# KiCad board imx8x_carrier_v1.kicad_pcb
title: Mariner 1-A; date: 2025-06-26; rev: A; company: Bronco Space Lab; note: Designed by Luca Lanzillotta, John Pollack, Kelly Williams
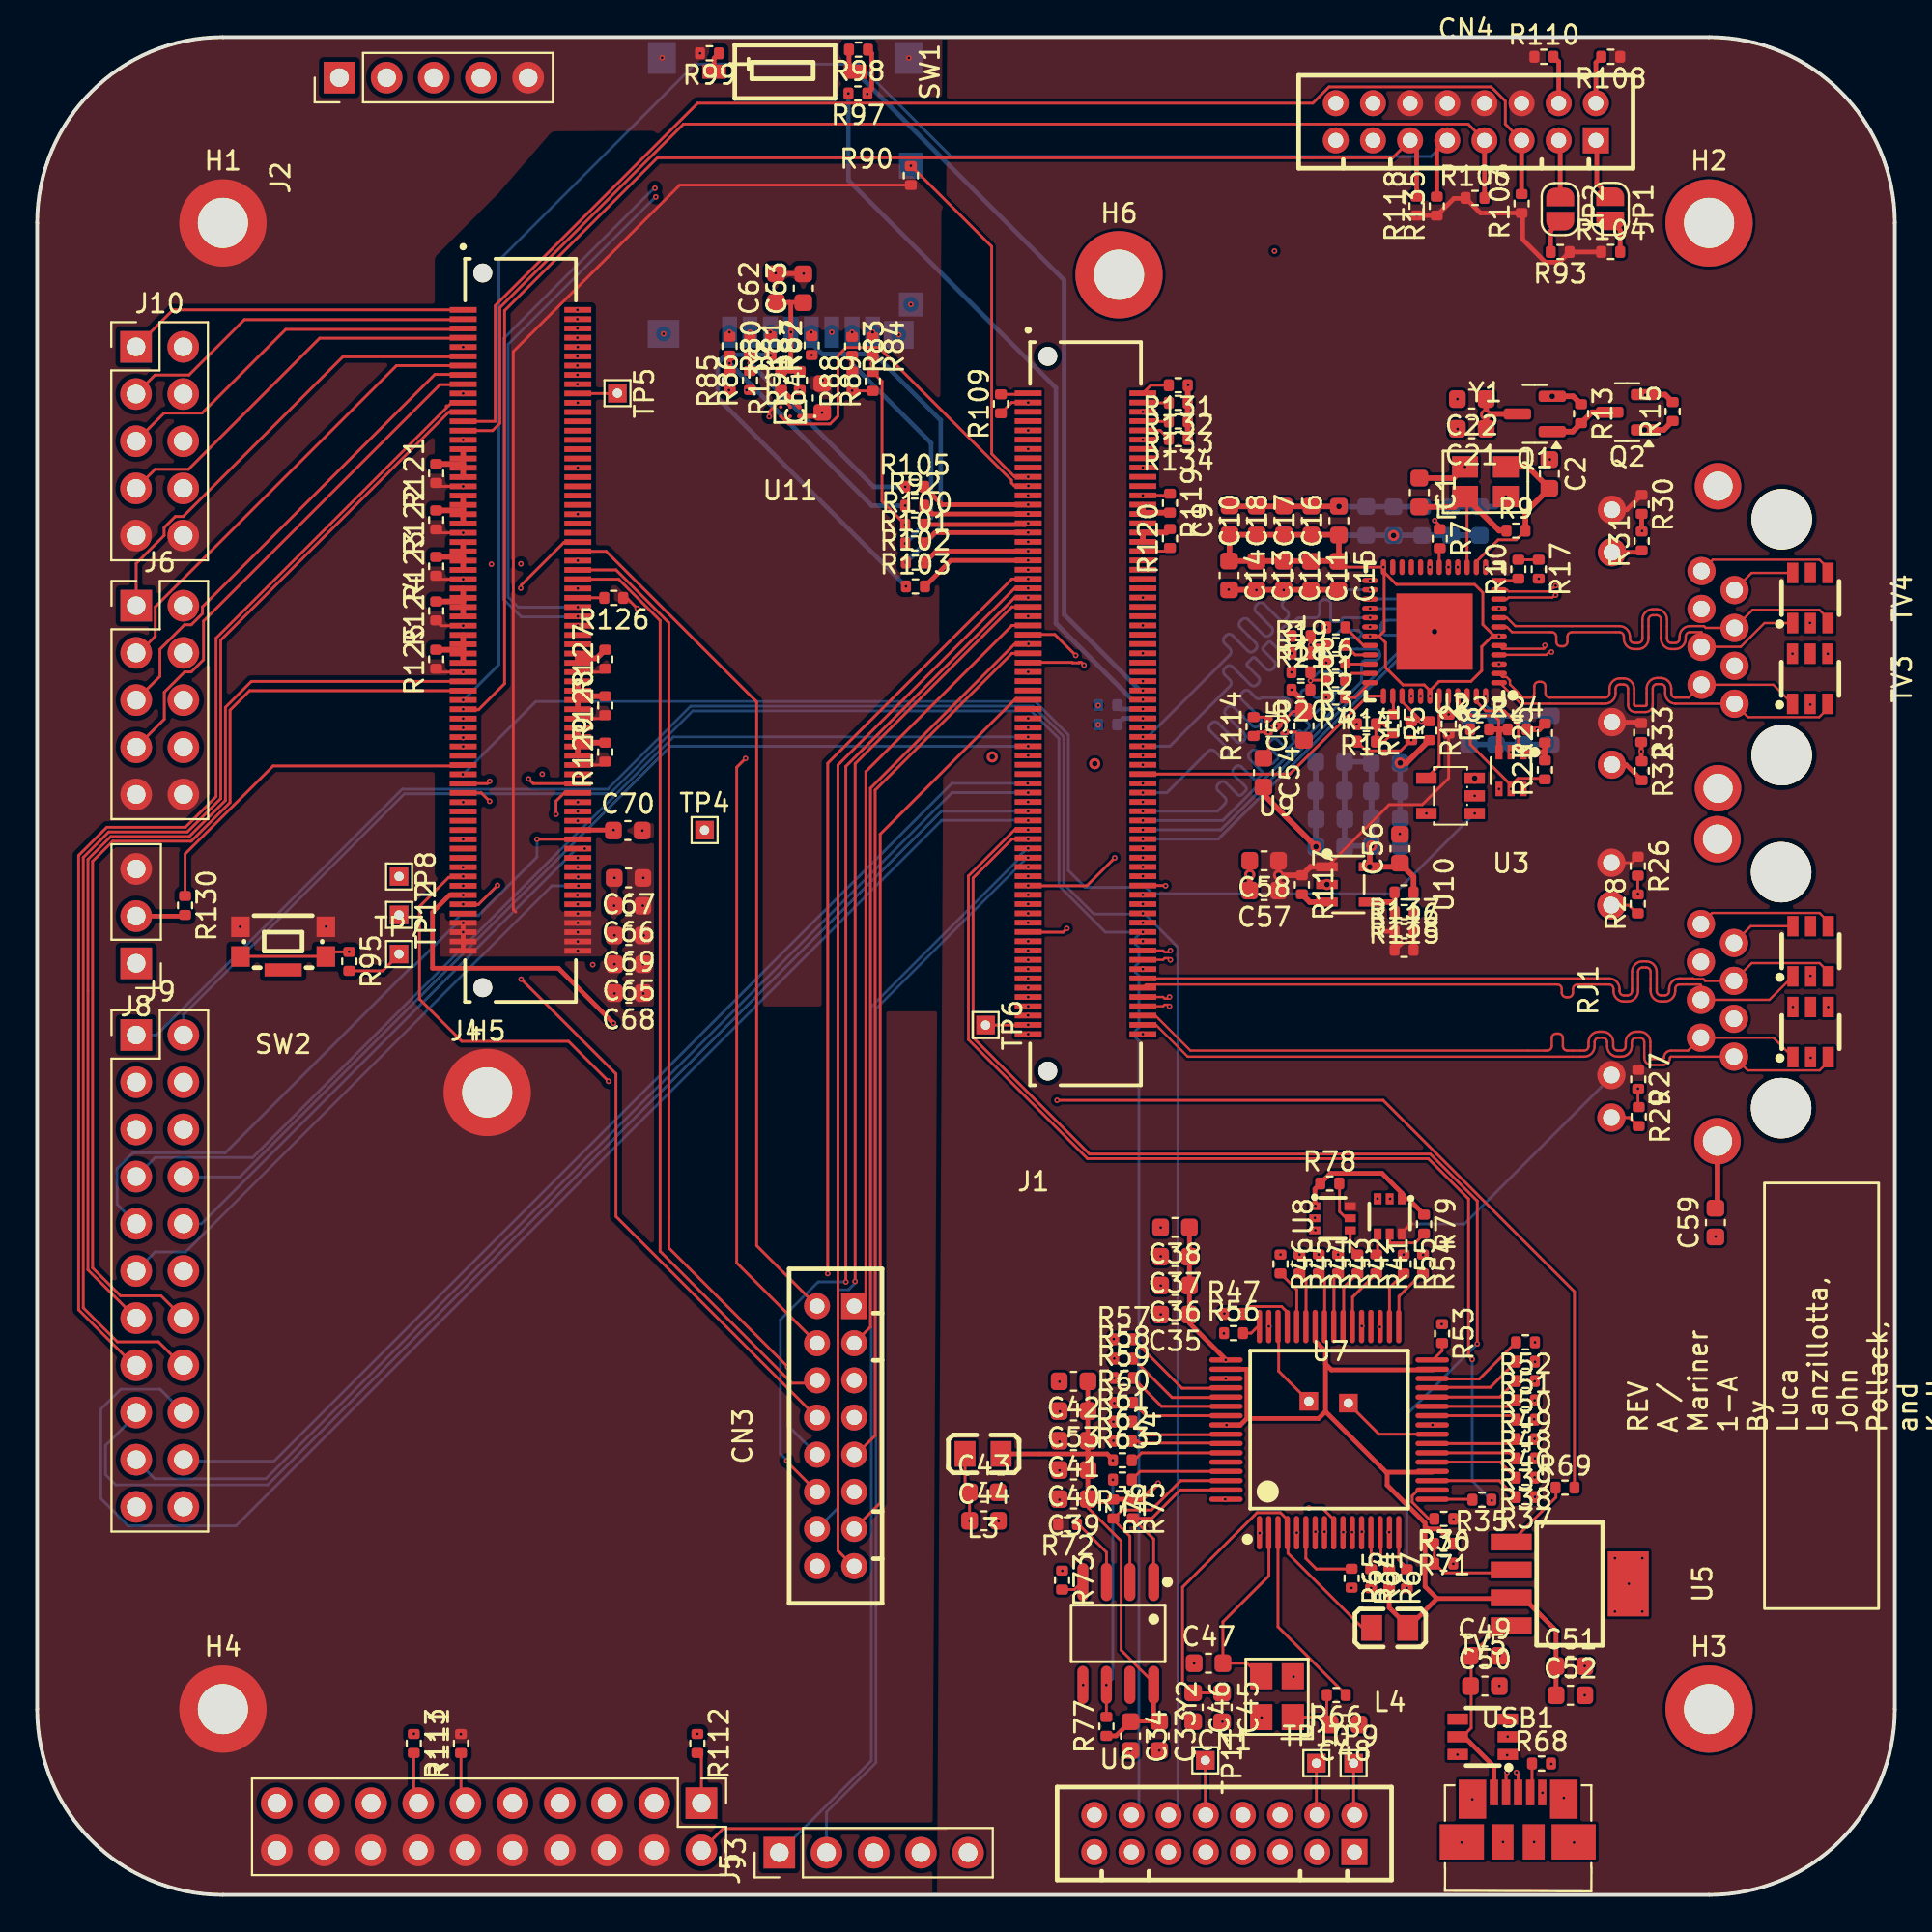
[diagram p0: board, top side]
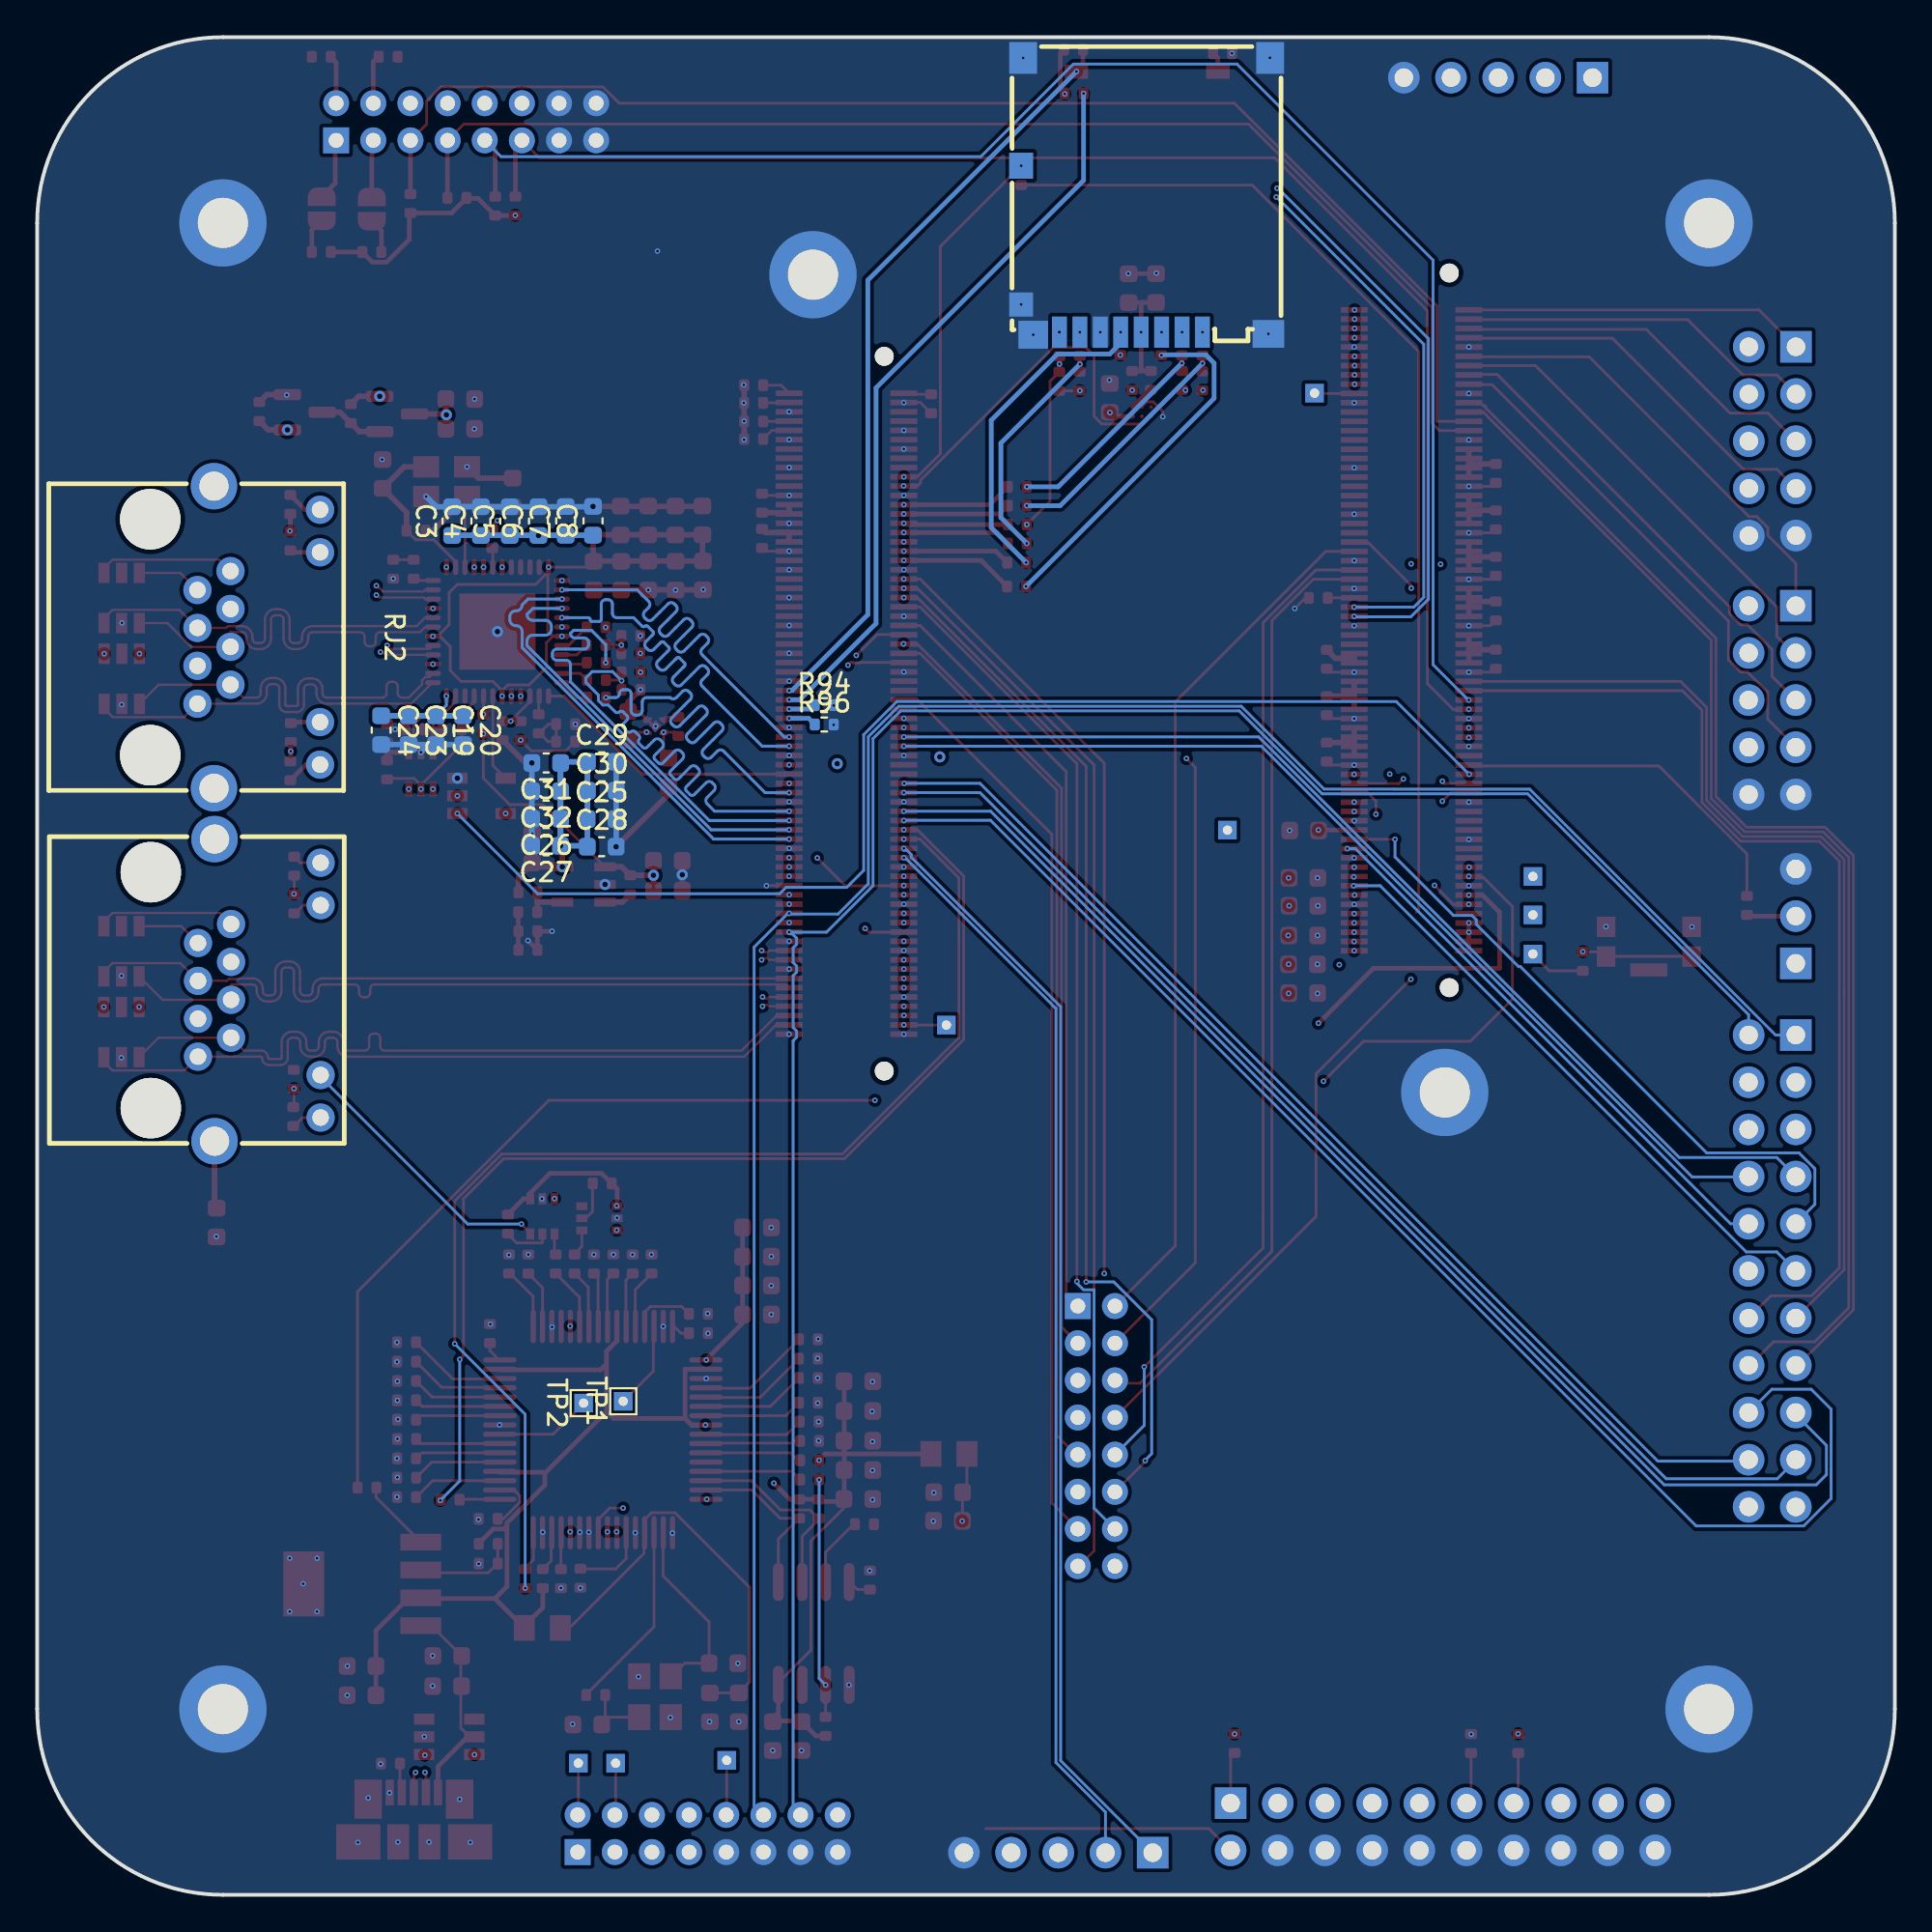
[diagram p1: board, bottom side, seen from below]

Outline 100 x 100 mm; copper layers: SIG1, GND1 (plane), PWR (plane), SIG2, GND2 (plane), SIG3. Coordinates in mm from the lower left corner of the outline.
Outline path: 0,90 0,10 arc(2.93,2.93) 10,0 90,0 arc(97.07,2.93) 100,10 100,90 arc(97.07,97.07) 90,100 10,100 arc(2.93,97.07) 0,90
Stack: SIG1 0.035mm / dielectric 0.0994mm FR4 er 4.1 / GND1 0.0152mm / dielectric 0.55mm FR4 er 4.5 / PWR 0.0152mm / dielectric 0.1088mm FR4 er 4.16 / SIG2 0.0152mm / dielectric 0.55mm FR4 er 4.5 / GND2 0.0152mm / dielectric 0.0994mm FR4 er 4.1 / SIG3 0.035mm

## Placement (name value [footprint] x y rotation side)
C1  18pF  [C_0603_1608Metric]  74.4 75.49 270 top
C2  18pF  [C_0603_1608Metric]  81.4 76.49 270 top
C3  1uF  [C_0603_1608Metric]  77.66 73.95 90 bottom
C4  100nF  [C_0603_1608Metric]  76.12 73.95 90 bottom
C5  1uF  [C_0603_1608Metric]  74.56 73.95 90 bottom
C6  100nF  [C_0603_1608Metric]  73.02 73.95 90 bottom
C7  10nF  [C_0603_1608Metric]  71.55 73.96 90 bottom
C8  10uF  [C_0603_1608Metric]  70.08 73.96 90 bottom
C9  10uF  [C_0603_1608Metric]  64.19 73.99 90 top
C10  10nF  [C_0603_1608Metric]  65.64 73.98 90 top
C11  100nF  [C_0603_1608Metric]  68.56 71 270 top
C12  1uF  [C_0603_1608Metric]  67.1 71.01 270 top
C13  100nF  [C_0603_1608Metric]  65.63 71.01 270 top
C14  1uF  [C_0603_1608Metric]  64.16 71.02 270 top
C15  1uF  [C_0603_1608Metric]  70.04 71 270 top
C16  100nF  [C_0603_1608Metric]  70.07 73.97 90 top
C17  1uF  [C_0603_1608Metric]  68.59 73.98 90 top
C18  100nF  [C_0603_1608Metric]  67.11 73.98 90 top
C19  1uF  [C_0603_1608Metric]  78.53 62.69 270 bottom
C20  100nF  [C_0603_1608Metric]  77.07 62.69 270 bottom
C21  10nF  [C_0603_1608Metric]  77.22 78.92 180 top
C22  10uF  [C_0603_1608Metric]  77.22 80.52 180 top
C23  100nF  [C_0603_1608Metric]  80 62.69 270 bottom
C24  1uF  [C_0603_1608Metric]  81.48 62.69 270 bottom
C25  1uF  [C_0603_1608Metric]  69.62 57.91 180 bottom
C26  100nF  [C_0603_1608Metric]  72.6 57.93 0 bottom
C27  1uF  [C_0603_1608Metric]  72.61 56.47 0 bottom
C28  100nF  [C_0603_1608Metric]  69.61 56.42 180 bottom
C29  10nF  [C_0603_1608Metric]  69.6 60.99 180 bottom
C30  10uF  [C_0603_1608Metric]  69.6 59.44 180 bottom
C31  100nF  [C_0603_1608Metric]  72.6 60.93 0 bottom
C32  1uF  [C_0603_1608Metric]  72.6 59.41 0 bottom
C33  4.7uF  [C_0603_1608Metric]  60.4 8.55 270 top
C34  100nF  [C_0603_1608Metric]  58.86 8.55 270 top
C35  100nF  [C_0603_1608Metric]  61.25 31.24 180 top
C36  100nF  [C_0603_1608Metric]  61.25 32.8 180 top
C37  100nF  [C_0603_1608Metric]  61.25 34.35 180 top
C38  4.7uF  [C_0603_1608Metric]  61.25 35.93 180 top
C39  100nF  [C_0603_1608Metric]  55.79 21.31 180 top
C40  100nF  [C_0603_1608Metric]  55.79 22.87 180 top
C41  100nF  [C_0603_1608Metric]  55.79 24.45 180 top
C42  100nF  [C_0603_1608Metric]  55.79 27.65 180 top
C43  100nF  [C_0603_1608Metric]  50.96 21.67 0 top
C44  4.7uF  [C_0603_1608Metric]  50.97 20.14 0 top
C45  4.7uF  [C_0603_1608Metric]  63.79 10.09 270 top
C46  100nF  [C_0603_1608Metric]  62.23 10.1 270 top
C47  12pF  [C_0603_1608Metric]  63.06 12.47 0 top
C48  12pF  [C_0603_1608Metric]  70.38 9.17 180 top
C49  100nF  [C_0603_1608Metric]  77.92 12.86 0 top
C50  2.2uF  [C_0603_1608Metric]  77.93 11.24 0 top
C51  1uF  [C_0603_1608Metric]  82.54 12.31 0 top
C52  100nF  [C_0603_1608Metric]  82.54 10.74 0 top
C53  100nF  [C_0603_1608Metric]  55.79 26.05 180 top
C54  100nF  [C_0603_1608Metric]  66.01 60.41 270 top
C55  100nF  [C_0603_1608Metric]  68.19 62.92 90 top
C56  4.7uF  [C_0603_1608Metric]  73.36 56.31 90 top
C57  100nF  [C_0603_1608Metric]  66.05 54.06 180 top
C58  4.7uF  [C_0603_1608Metric]  66.05 55.66 180 top
C59  10nF  [C_0603_1608Metric]  90.34 36.19 90 top
C62  10uF  [C_0603_1608Metric]  39.77 86.49 90 top
C63  100nF  [C_0603_1608Metric]  41.24 86.48 90 top
C64  100nF  [C_0603_1608Metric]  42.26 80.58 90 top
C65  22uF  [C_0603_1608Metric]  31.86 50.09 180 top
C66  22uF  [C_0603_1608Metric]  31.83 53.24 180 top
C67  4.7uF  [C_0603_1608Metric]  31.83 54.74 180 top
C68  4.7uF  [C_0603_1608Metric]  31.85 48.54 180 top
C69  100nF  [C_0603_1608Metric]  31.85 51.64 180 top
C70  220nF  [C_0603_1608Metric]  31.8 57.29 0 top
Card1  5027740891  [TF-SMD_5027740891]  40.33 91.43 180 bottom
CN1  DF11-16DP-2DSA(08)  [CONN-TH_DF11-16DP-2DSA-08]  63.91 3.3 0 top
CN3  DF11-16DP-2DSA(08)  [CONN-TH_DF11-16DP-2DSA-08]  42.98 24.69 90 top
CN4  DF11-16DP-2DSA(08)  [CONN-TH_DF11-16DP-2DSA-08]  76.91 95.44 0 top
G***  -  [LOGO]  24.43 25.79 0 top
H1  MountingHole_Pad_M2.5_2.7mm  [MountingHole_2.7mm_M2.5_DIN965_Pad]  10 90 0 top
H2  MountingHole_Pad_M2.5_2.7mm  [MountingHole_2.7mm_M2.5_DIN965_Pad]  90 90 0 top
H3  MountingHole_Pad_M2.5_2.7mm  [MountingHole_2.7mm_M2.5_DIN965_Pad]  90 10 0 top
H4  MountingHole_Pad_M2.5_2.7mm  [MountingHole_2.7mm_M2.5_DIN965_Pad]  10 10 0 top
H5  MountingHole_Pad_M2.5_2.7mm  [MountingHole_2.7mm_M2.5_DIN965_Pad]  24.23 43.19 0 top
H6  MountingHole_Pad_M2.5_2.7mm  [MountingHole_2.7mm_M2.5_DIN965_Pad]  58.24 87.21 0 top
J1  BTH-070-02-L-D-A  [SAMTEC_BTH-070-02-L-D-A]  53.35 46.83 90 top
J2  Conn_01x05_Pin  [PinHeader_1x05_P2.54mm_Vertical]  16.27 97.82 90 top
J3  Conn_01x05_Pin  [PinHeader_1x05_P2.54mm_Vertical]  39.95 2.27 90 top
J4  BTH-070-02-L-D-A  [SAMTEC_BTH-070-02-L-D-A]  22.93 51.32 90 top
J5  Conn_01x20_Pin  [PinHeader_2x10_P2.54mm_Vertical]  35.76 4.93 270 top
J6  Conn_02x05_Odd_Even  [PinHeader_2x05_P2.54mm_Vertical]  5.33 69.39 0 top
J8  Conn_01x03_Pin  [PinHeader_1x03_P2.54mm_Vertical]  5.33 50.14 180 top
J9  Conn_02x11_Counter_Clockwise  [PinHeader_2x11_P2.54mm_Vertical]  5.33 46.28 0 top
J10  Conn_02x05_Odd_Even  [PinHeader_2x05_P2.54mm_Vertical]  5.32 83.33 0 top
JP1  SolderJumper_2_Open  [SolderJumper-2_P1.3mm_Open_RoundedPad1.0x1.5mm]  84.68 90.76 270 top
JP2  SolderJumper_2_Open  [SolderJumper-2_P1.3mm_Open_RoundedPad1.0x1.5mm]  81.99 90.75 270 top
L3  600R/100MHz  [L0805]  50.92 23.74 180 top
L4  600R/100MHz  [L0805]  72.81 14.37 180 top
Q1  IRLML6401  [SOT-23]  80.62 79.72 180 top
Q2  BSS138  [SOT-23]  85.59 79.81 180 top
R1  22  [R_0402_1005Metric]  69.91 67.28 180 top
R2  22  [R_0402_1005Metric]  69.9 66.33 180 top
R3  22  [R_0402_1005Metric]  69.89 65.39 180 top
R4  22  [R_0402_1005Metric]  69.89 64.45 180 top
R5  22  [R_0402_1005Metric]  73 63.04 270 top
R6  0  [R_0402_1005Metric]  69.91 68.23 180 top
R7  49.9  [R_0402_1005Metric]  75.5 73 270 top
R8  2K  [R_0402_1005Metric]  75.98 63.02 270 top
R9  1M  [R_0402_1005Metric]  79.6 73.44 0 top
R10  1K  [R_0402_1005Metric]  79.73 71.36 90 top
R11  5.76K  [R_0402_1005Metric]  73.97 62.67 90 top
R12  2.49K  [R_0402_1005Metric]  74.94 62.67 270 top
R13  10K  [R_0402_1005Metric]  83.11 79.73 270 top
R14  5.76K  [R_0402_1005Metric]  71.55 62.08 0 top
R15  10K  [R_0402_1005Metric]  88.04 79.85 90 top
R16  2.49K  [R_0402_1005Metric]  71.55 63.02 180 top
R17  10K  [R_0402_1005Metric]  80.83 71.36 270 top
R18  10K  [R_0402_1005Metric]  68.03 65.81 0 top
R19  2.49K  [R_0402_1005Metric]  68.04 66.83 0 top
R20  2.49K  [R_0402_1005Metric]  68.03 64.87 180 top
R21  2.49K  [R_0402_1005Metric]  68.04 67.77 180 top
R22  10K  [R_0402_1005Metric]  77.65 62.74 0 top
R23  5.76K  [R_0402_1005Metric]  81.16 60.56 90 top
R24  2.49K  [R_0402_1005Metric]  79.67 62.74 0 top
R25  2.49K  [R_0402_1005Metric]  81.17 62.54 90 top
R26  10K  [R_0402_1005Metric]  86.16 55.38 270 top
R27  2.49K  [R_0402_1005Metric]  86.19 43.9 270 top
R28  200  [R_0402_1005Metric]  86.16 53.34 90 top
R29  22  [R_0402_1005Metric]  86.21 41.89 270 top
R30  10K  [R_0402_1005Metric]  86.37 74.85 270 top
R31  200  [R_0402_1005Metric]  86.37 72.88 90 top
R32  22  [R_0402_1005Metric]  86.37 60.51 270 top
R33  2.49K  [R_0402_1005Metric]  86.35 62.57 270 top
R34  22  [R_0402_1005Metric]  73.73 17.02 90 top
R35  22  [R_0402_1005Metric]  77.77 21.27 180 top
R36  10K  [R_0402_1005Metric]  75.72 20.24 180 top
R37  10K  [R_0402_1005Metric]  80.11 21.41 180 top
R38  10K  [R_0402_1005Metric]  80.11 22.45 180 top
R39  10K  [R_0402_1005Metric]  80.11 23.5 180 top
R40  10K  [R_0402_1005Metric]  80.11 24.54 180 top
R41  22  [R_0402_1005Metric]  72.09 33.96 270 top
R42  22  [R_0402_1005Metric]  71.07 33.96 270 top
R43  10K  [R_0402_1005Metric]  70.03 33.96 270 top
R44  10K  [R_0402_1005Metric]  68.99 33.96 270 top
R45  10K  [R_0402_1005Metric]  67.95 33.96 270 top
R46  10K  [R_0402_1005Metric]  66.93 33.96 270 top
R47  10K  [R_0402_1005Metric]  64.4 31.28 0 top
R48  10K  [R_0402_1005Metric]  80.11 25.58 180 top
R49  10K  [R_0402_1005Metric]  80.12 26.62 180 top
R50  10K  [R_0402_1005Metric]  80.11 27.66 180 top
R51  10K  [R_0402_1005Metric]  80.12 28.7 180 top
R52  10K  [R_0402_1005Metric]  80.12 29.74 180 top
R53  10K  [R_0402_1005Metric]  75.63 30.21 270 top
R54  10K  [R_0402_1005Metric]  74.6 33.96 270 top
R55  10K  [R_0402_1005Metric]  73.56 33.96 270 top
R56  10K  [R_0402_1005Metric]  64.4 30.24 0 top
R57  10K  [R_0402_1005Metric]  58.48 29.91 0 top
R58  10K  [R_0402_1005Metric]  58.49 28.87 0 top
R59  10K  [R_0402_1005Metric]  58.49 27.82 0 top
R60  10K  [R_0402_1005Metric]  58.48 26.49 0 top
R61  10K  [R_0402_1005Metric]  58.45 25.48 0 top
R62  10K  [R_0402_1005Metric]  58.42 24.44 0 top
R63  1K  [R_0402_1005Metric]  58.42 23.39 0 top
R64  10K  [R_0402_1005Metric]  71.81 17.02 270 top
R65  12K  [R_0402_1005Metric]  70.76 17.04 270 top
R66  200  [R_0402_1005Metric]  69.93 10.76 180 top
R67  1K  [R_0402_1005Metric]  72.78 17.02 270 top
R68  0  [R_0402_1005Metric]  80.98 7.07 0 top
R69  10K  [R_0402_1005Metric]  82.25 21.92 0 top
R70  10K  [R_0402_1005Metric]  75.72 17.83 0 top
R71  16.5K  [R_0402_1005Metric]  75.72 18.9 180 top
R72  10K  [R_0402_1005Metric]  55.47 19.95 180 top
R73  0  [R_0402_1005Metric]  55.17 16.94 270 top
R74  2K  [R_0402_1005Metric]  58.42 22.35 180 top
R75  10K  [R_0402_1005Metric]  58.98 20.78 270 top
R76  10K  [R_0402_1005Metric]  57.93 20.77 270 top
R77  10K  [R_0402_1005Metric]  57.56 9.07 90 top
R78  10K  [R_0402_1005Metric]  69.58 38.29 0 top
R79  10K  [R_0402_1005Metric]  74.66 36.1 270 top
R80  22  [R_0402_1005Metric]  37.27 83.37 270 top
R81  22  [R_0402_1005Metric]  38.38 83.38 270 top
R82  22  [R_0402_1005Metric]  39.48 83.39 270 top
R83  22  [R_0402_1005Metric]  43.87 83.36 270 top
R84  22  [R_0402_1005Metric]  44.97 83.34 270 top
R85  49.9K  [R_0402_1005Metric]  37.28 81.5 90 top
R86  49.9K  [R_0402_1005Metric]  38.37 81.52 90 top
R87  49.9K  [R_0402_1005Metric]  41.69 83.4 90 top
R88  49.9K  [R_0402_1005Metric]  43.89 81.48 90 top
R89  49.9K  [R_0402_1005Metric]  44.98 81.47 90 top
R90  49.9K  [R_0402_1005Metric]  47.03 92.55 90 top
R91  0  [R_0402_1005Metric]  41.05 81.52 90 top
R92  22  [R_0402_1005Metric]  47.24 74.78 0 top
R93  4.7k  [R_0402_1005Metric]  81.99 88.43 180 top
R94  1k  [R_0402_1005Metric]  57.63 64.04 180 bottom
R95  2K  [R_0402_1005Metric]  16.8 50.25 270 top
R96  1k  [R_0402_1005Metric]  57.63 63 180 bottom
R97  1k  [R_0402_1005Metric]  44.18 96.97 180 top
R98  1k  [R_0402_1005Metric]  44.21 99.33 180 top
R99  1k  [R_0402_1005Metric]  36.19 99.13 180 top
R100  22  [R_0402_1005Metric]  47.24 73.76 0 top
R101  22  [R_0402_1005Metric]  47.24 72.75 0 top
R102  22  [R_0402_1005Metric]  47.27 71.71 0 top
R103  22  [R_0402_1005Metric]  47.28 70.43 0 top
R104  4.7k  [R_0402_1005Metric]  84.7 88.44 0 top
R105  22  [R_0402_1005Metric]  47.24 75.8 0 top
R106  4.7k  [R_0402_1005Metric]  77.4 91.34 0 top
R107  4.7k  [R_0402_1005Metric]  79.91 91.04 90 top
R108  4.7k  [R_0402_1005Metric]  84.71 98.94 180 top
R109  10k  [R_0402_1005Metric]  51.88 80.26 90 top
R110  4.7k  [R_0402_1005Metric]  81.11 98.94 0 top
R111  10k  [R_0402_1005Metric]  22.81 8.15 90 top
R112  100  [R_0402_1005Metric]  35.54 8.15 270 top
R113  22  [R_0402_1005Metric]  20.27 8.15 270 top
R114  10k  [R_0402_1005Metric]  65.48 62.89 90 top
R115  2k  [R_0402_1005Metric]  73.59 52.9 180 top
R116  13k  [R_0402_1005Metric]  73.58 53.96 180 top
R117  10k  [R_0402_1005Metric]  68.08 54.37 270 top
R118  4.7k  [R_0402_1005Metric]  74.26 90.91 90 top
R119  10k  [R_0402_1005Metric]  60.98 74.91 270 top
R120  10k  [R_0402_1005Metric]  60.98 73.01 90 top
R121  10k  [R_0402_1005Metric]  21.48 76.51 90 top
R122  10k  [R_0402_1005Metric]  21.48 74.01 90 top
R123  10k  [R_0402_1005Metric]  21.48 71.51 90 top
R124  10k  [R_0402_1005Metric]  21.48 69.11 90 top
R125  10k  [R_0402_1005Metric]  21.48 66.51 90 top
R126  10k  [R_0402_1005Metric]  31.04 69.81 180 top
R127  10k  [R_0402_1005Metric]  30.58 66.51 90 top
R128  10k  [R_0402_1005Metric]  30.58 64.01 90 top
R129  10k  [R_0402_1005Metric]  30.58 61.51 90 top
R130  10k  [R_0402_1005Metric]  7.96 53.26 270 top
R131  10k  [R_0402_1005Metric]  61.43 81.26 180 top
R132  10k  [R_0402_1005Metric]  61.43 80.31 180 top
R133  10k  [R_0402_1005Metric]  61.43 79.31 180 top
R134  10k  [R_0402_1005Metric]  61.43 78.36 180 top
R135  4.7k  [R_0402_1005Metric]  75.34 90.91 90 top
R136  0  [R_0402_1005Metric]  40.05 81.52 90 top
R137  1k  [R_0402_1005Metric]  73.58 51.87 0 top
R138  1k  [R_0402_1005Metric]  73.58 50.87 0 top
RJ1  RJHSE5384  [RJ45-TH_RJHSE5384]  88.04 48.7 270 bottom
RJ2  RJHSE5384  [RJ45-TH_RJHSE5384]  88.07 67.7 270 bottom
SW1  SW_DIP_x01  [SW-SMD_1.27-1P-TPPT]  40.25 98.14 270 top
SW2  KMR221GLFS  [KEY-SMD_KMR2XXGXXX]  13.24 50.95 180 top
TP1  TestPoint  [TestPoint_THTPad_1.0x1.0mm_Drill0.5mm]  68.45 26.57 90 bottom
TP2  TestPoint  [TestPoint_THTPad_1.0x1.0mm_Drill0.5mm]  70.58 26.47 90 bottom
TP4  TestPoint  [TestPoint_THTPad_1.0x1.0mm_Drill0.5mm]  35.93 57.31 0 top
TP5  TestPoint  [TestPoint_THTPad_1.0x1.0mm_Drill0.5mm]  31.24 80.84 270 top
TP6  TestPoint  [TestPoint_THTPad_1.0x1.0mm_Drill0.5mm]  51.06 46.82 270 top
TP7  TestPoint  [TestPoint_THTPad_1.0x1.0mm_Drill0.5mm]  19.48 50.64 0 top
TP8  TestPoint  [TestPoint_THTPad_1.0x1.0mm_Drill0.5mm]  19.48 54.82 270 top
TP9  TestPoint  [TestPoint_THTPad_1.0x1.0mm_Drill0.5mm]  70.87 7.09 0 top
TP10  TestPoint  [TestPoint_THTPad_1.0x1.0mm_Drill0.5mm]  68.86 7.09 0 top
TP11  TestPoint  [TestPoint_THTPad_1.0x1.0mm_Drill0.5mm]  62.88 7.24 270 top
TP12  TestPoint  [TestPoint_THTPad_1.0x1.0mm_Drill0.5mm]  19.48 52.75 270 top
TV1  SRV05-4.TCT  [SOT-23-6_L2.9-W1.6-P0.95-LS2.8-BR]  95.46 46.44 270 top
TV2  SRV05-4.TCT  [SOT-23-6_L2.9-W1.6-P0.95-LS2.8-BR]  95.46 50.79 270 top
TV3  SRV05-4.TCT  [SOT-23-6_L2.9-W1.6-P0.95-LS2.8-BR]  95.44 65.46 270 top
TV4  SRV05-4.TCT  [SOT-23-6_L2.9-W1.6-P0.95-LS2.8-BR]  95.45 69.81 270 top
TV5  SRV05-4.TCT  [SOT-23-6_L2.9-W1.6-P0.95-LS2.8-BR]  77.82 8.51 0 top
U1  DP83867IRRGZR  [VQFN-48_L7.0-W7.0-P0.50-BL-EP4.1]  75.22 68 90 top
U2  74AUP1G08  [SOT-23-5_L3.0-W1.7-P0.95-LS2.8-BR]  76.08 59.16 0 top
U3  74LVC2G07  [SOT-363_L2.1-W1.3-P0.65-LS2.2-BL]  79.34 60.52 180 top
U4  FT2232HL  [LQFP-64_L10.0-W10.0-P0.50-LS12.0-TL]  69.55 25.04 90 top
U5  LP38693MP-ADJ/NOPB  [SOT-223-5_L6.5-W3.5-P1.50-LS7.0-BL]  82.5 16.74 270 top
U6  CAT93C66VI-GT3  [SOIC-8_L4.9-W3.9-P1.27-LS6.0-BL]  58.19 14.07 180 top
U7  TXS0101DCKR  [SC-70-6_L2.0-W1.3-P0.65-LS2.1-BR]  69.73 36.42 180 top
U8  TXS0101DCKR  [SC-70-6_L2.0-W1.3-P0.65-LS2.1-BR]  72.81 36.52 90 top
U9  TLV71310PDQNR  [X2SON-4_L1.0-W1.0-P0.65-TL-EP]  66.71 62.91 180 top
U10  MCP1824T-ADJE/OT  [SOT-23-5_L3.0-W1.7-P0.95-LS2.8-BL]  70.58 54.39 270 top
U11  BD2204GUL-E2  [BGA-6_L1.5-W1.0-P0.50_BD2204GUL-E2]  40.53 79.84 180 top
USB1  47346-0001  [MICRO-USB-SMD_47346-0001]  79.7 4.18 0 top
Y1  25MHz  [CRYSTAL-SMD_4P-L3.2-W2.5-BL-2]  77.96 76.07 0 top
Y2  12MHz  [CRYSTAL-SMD_4P-L3.2-W2.5-BL]  66.74 10.67 90 top
